# KiCad board panel.kicad_pcb (continued)
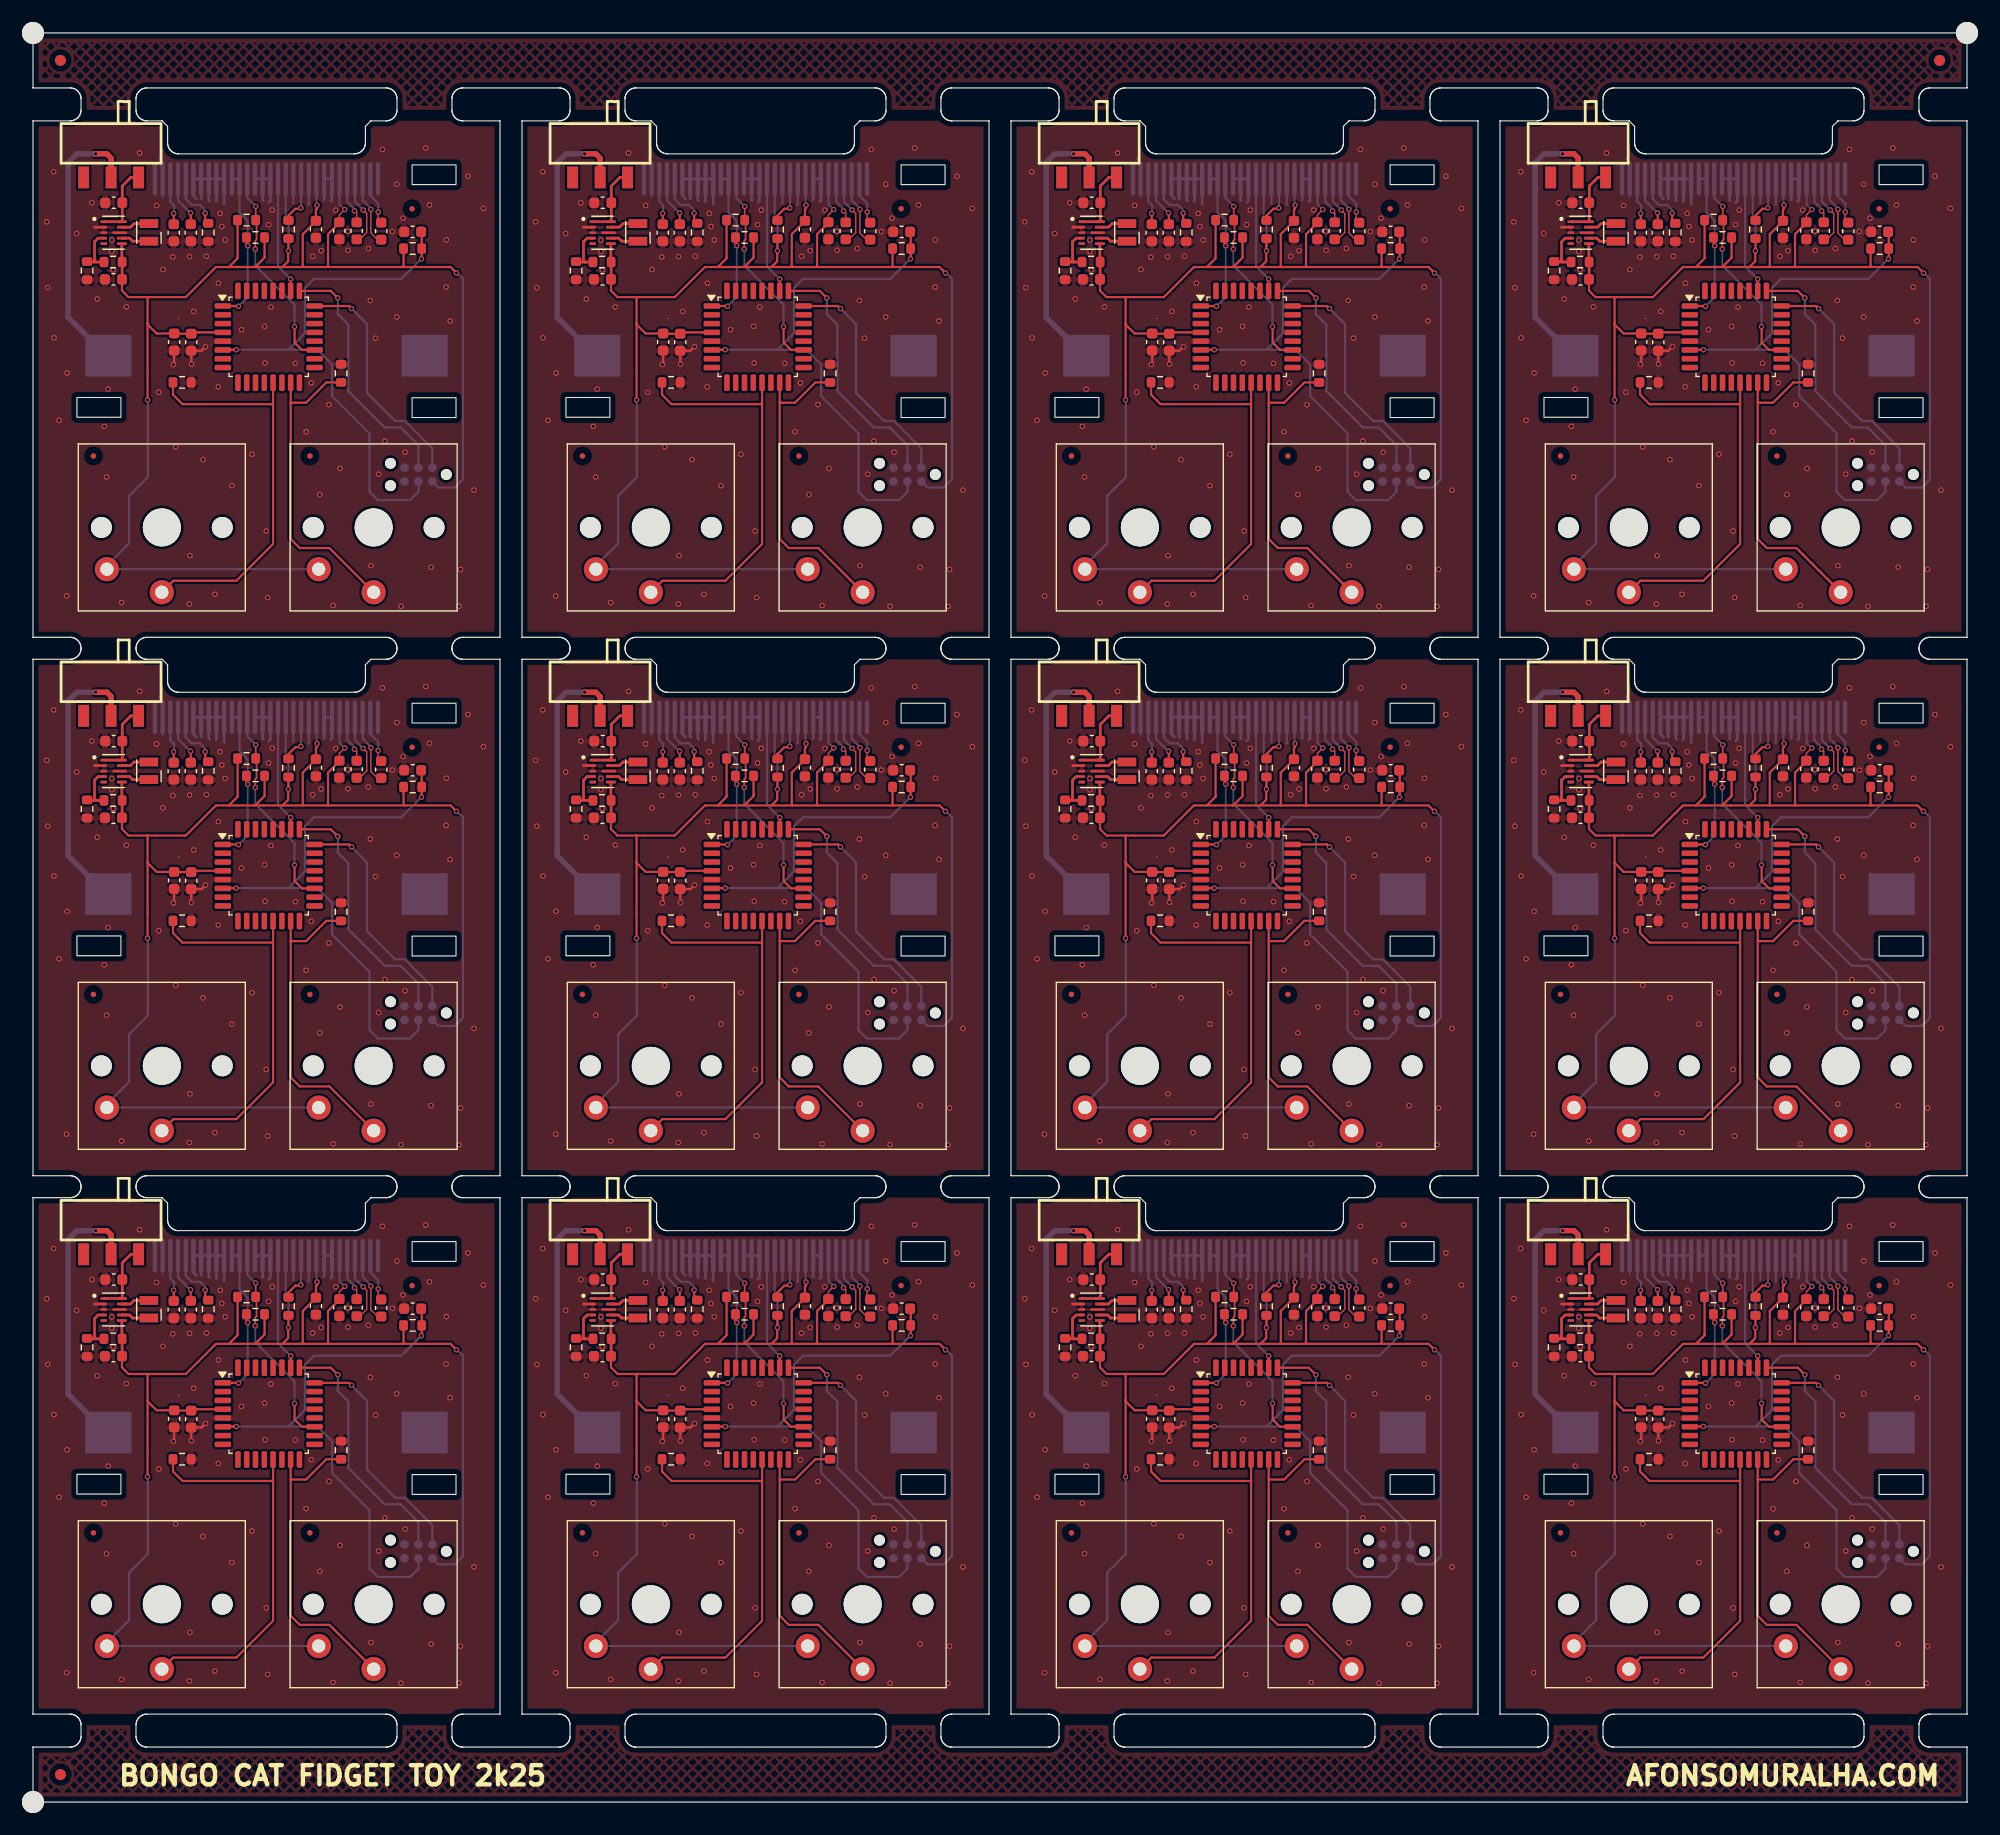
[diagram p0: board, top side]
## Placement (name value [footprint] x y rotation side) (continued)
R12#4  4.7k  [R_0603_1608Metric]  109.25 93.39 0 top
R12#5  4.7k  [R_0603_1608Metric]  153.75 142.39 0 top
R12#6  4.7k  [R_0603_1608Metric]  20.25 44.39 0 top
R12#7  4.7k  [R_0603_1608Metric]  153.75 93.39 0 top
R12#8  4.7k  [R_0603_1608Metric]  64.75 142.39 0 top
R12#9  4.7k  [R_0603_1608Metric]  20.25 142.39 0 top
R12#10  4.7k  [R_0603_1608Metric]  153.75 44.39 0 top
R12#11  4.7k  [R_0603_1608Metric]  64.75 44.39 0 top
R12#12  4.7k  [R_0603_1608Metric]  109.25 142.39 0 top
R13  4.7k  [R_0603_1608Metric]  19.44 45.97 180 top
R13#2  4.7k  [R_0603_1608Metric]  152.94 45.97 180 top
R13#3  4.7k  [R_0603_1608Metric]  19.44 143.97 180 top
R13#4  4.7k  [R_0603_1608Metric]  108.44 143.97 180 top
R13#5  4.7k  [R_0603_1608Metric]  63.94 94.97 180 top
R13#6  4.7k  [R_0603_1608Metric]  63.94 45.97 180 top
R13#7  4.7k  [R_0603_1608Metric]  152.94 94.97 180 top
R13#8  4.7k  [R_0603_1608Metric]  63.94 143.97 180 top
R13#9  4.7k  [R_0603_1608Metric]  108.44 45.97 180 top
R13#10  4.7k  [R_0603_1608Metric]  108.44 94.97 180 top
R13#11  4.7k  [R_0603_1608Metric]  152.94 143.97 180 top
R13#12  4.7k  [R_0603_1608Metric]  19.44 94.97 180 top
R101  91k  [R_0603_1608Metric]  23.25 143.12 270 top
R101#2  91k  [R_0603_1608Metric]  67.75 143.12 270 top
R101#3  91k  [R_0603_1608Metric]  67.75 94.12 270 top
R101#4  91k  [R_0603_1608Metric]  156.75 45.12 270 top
R101#5  91k  [R_0603_1608Metric]  67.75 45.12 270 top
R101#6  91k  [R_0603_1608Metric]  156.75 143.12 270 top
R101#7  91k  [R_0603_1608Metric]  112.25 143.12 270 top
R101#8  91k  [R_0603_1608Metric]  23.25 45.12 270 top
R101#9  91k  [R_0603_1608Metric]  112.25 45.12 270 top
R101#10  91k  [R_0603_1608Metric]  112.25 94.12 270 top
R101#11  91k  [R_0603_1608Metric]  23.25 94.12 270 top
R101#12  91k  [R_0603_1608Metric]  156.75 94.12 270 top
SW1  SW_Push  [SW_Kailh_Choc_V1_1.00u]  56.22 67 180 top
SW1#2  SW_Push  [SW_Kailh_Choc_V1_1.00u]  145.22 67 180 top
SW1#3  SW_Push  [SW_Kailh_Choc_V1_1.00u]  145.22 18 180 top
SW1#4  SW_Push  [SW_Kailh_Choc_V1_1.00u]  100.72 116 180 top
SW1#5  SW_Push  [SW_Kailh_Choc_V1_1.00u]  11.72 67 180 top
SW1#6  SW_Push  [SW_Kailh_Choc_V1_1.00u]  11.72 116 180 top
SW1#7  SW_Push  [SW_Kailh_Choc_V1_1.00u]  11.72 18 180 top
SW1#8  SW_Push  [SW_Kailh_Choc_V1_1.00u]  100.72 18 180 top
SW1#9  SW_Push  [SW_Kailh_Choc_V1_1.00u]  56.22 18 180 top
SW1#10  SW_Push  [SW_Kailh_Choc_V1_1.00u]  145.22 116 180 top
SW1#11  SW_Push  [SW_Kailh_Choc_V1_1.00u]  56.22 116 180 top
SW1#12  SW_Push  [SW_Kailh_Choc_V1_1.00u]  100.72 67 180 top
SW2  SW_Push  [SW_Kailh_Choc_V1_1.00u]  120 18 180 top
SW2#2  SW_Push  [SW_Kailh_Choc_V1_1.00u]  31 18 180 top
SW2#3  SW_Push  [SW_Kailh_Choc_V1_1.00u]  31 67 180 top
SW2#4  SW_Push  [SW_Kailh_Choc_V1_1.00u]  75.5 116 180 top
SW2#5  SW_Push  [SW_Kailh_Choc_V1_1.00u]  31 116 180 top
SW2#6  SW_Push  [SW_Kailh_Choc_V1_1.00u]  75.5 18 180 top
SW2#7  SW_Push  [SW_Kailh_Choc_V1_1.00u]  164.5 18 180 top
SW2#8  SW_Push  [SW_Kailh_Choc_V1_1.00u]  164.5 116 180 top
SW2#9  SW_Push  [SW_Kailh_Choc_V1_1.00u]  120 116 180 top
SW2#10  SW_Push  [SW_Kailh_Choc_V1_1.00u]  164.5 67 180 top
SW2#11  SW_Push  [SW_Kailh_Choc_V1_1.00u]  120 67 180 top
SW2#12  SW_Push  [SW_Kailh_Choc_V1_1.00u]  75.5 67 180 top
SW5  SW_SPDT_321  [SW-SMD_SK-3245S-L1-A-1]  96.11 98.85 0 top
SW5#2  SW_SPDT_321  [SW-SMD_SK-3245S-L1-A-1]  7.11 147.85 0 top
SW5#3  SW_SPDT_321  [SW-SMD_SK-3245S-L1-A-1]  51.61 147.85 0 top
SW5#4  SW_SPDT_321  [SW-SMD_SK-3245S-L1-A-1]  140.61 147.85 0 top
SW5#5  SW_SPDT_321  [SW-SMD_SK-3245S-L1-A-1]  51.61 98.85 0 top
SW5#6  SW_SPDT_321  [SW-SMD_SK-3245S-L1-A-1]  7.11 98.85 0 top
SW5#7  SW_SPDT_321  [SW-SMD_SK-3245S-L1-A-1]  140.61 49.85 0 top
SW5#8  SW_SPDT_321  [SW-SMD_SK-3245S-L1-A-1]  96.11 147.85 0 top
SW5#9  SW_SPDT_321  [SW-SMD_SK-3245S-L1-A-1]  140.61 98.85 0 top
SW5#10  SW_SPDT_321  [SW-SMD_SK-3245S-L1-A-1]  96.11 49.85 0 top
SW5#11  SW_SPDT_321  [SW-SMD_SK-3245S-L1-A-1]  7.11 49.85 0 top
SW5#12  SW_SPDT_321  [SW-SMD_SK-3245S-L1-A-1]  51.61 49.85 0 top
U1  STM32G030K8Tx  [LQFP-32_7x7mm_P0.8mm]  21.45 35.35 0 top
U1#2  STM32G030K8Tx  [LQFP-32_7x7mm_P0.8mm]  65.95 84.35 0 top
U1#3  STM32G030K8Tx  [LQFP-32_7x7mm_P0.8mm]  154.95 84.35 0 top
U1#4  STM32G030K8Tx  [LQFP-32_7x7mm_P0.8mm]  65.95 133.35 0 top
U1#5  STM32G030K8Tx  [LQFP-32_7x7mm_P0.8mm]  110.45 35.35 0 top
U1#6  STM32G030K8Tx  [LQFP-32_7x7mm_P0.8mm]  21.45 84.35 0 top
U1#7  STM32G030K8Tx  [LQFP-32_7x7mm_P0.8mm]  110.45 133.35 0 top
U1#8  STM32G030K8Tx  [LQFP-32_7x7mm_P0.8mm]  110.45 84.35 0 top
U1#9  STM32G030K8Tx  [LQFP-32_7x7mm_P0.8mm]  154.95 133.35 0 top
U1#10  STM32G030K8Tx  [LQFP-32_7x7mm_P0.8mm]  154.95 35.35 0 top
U1#11  STM32G030K8Tx  [LQFP-32_7x7mm_P0.8mm]  65.95 35.35 0 top
U1#12  STM32G030K8Tx  [LQFP-32_7x7mm_P0.8mm]  21.45 133.35 0 top
U101  TPS63802DLAR  [VREG_TPS63802DLAR]  96.34 93.83 0 top
U101#2  TPS63802DLAR  [VREG_TPS63802DLAR]  140.84 142.83 0 top
U101#3  TPS63802DLAR  [VREG_TPS63802DLAR]  51.84 44.83 0 top
U101#4  TPS63802DLAR  [VREG_TPS63802DLAR]  51.84 142.83 0 top
U101#5  TPS63802DLAR  [VREG_TPS63802DLAR]  7.34 44.83 0 top
U101#6  TPS63802DLAR  [VREG_TPS63802DLAR]  7.34 93.83 0 top
U101#7  TPS63802DLAR  [VREG_TPS63802DLAR]  140.84 44.83 0 top
U101#8  TPS63802DLAR  [VREG_TPS63802DLAR]  96.34 142.83 0 top
U101#9  TPS63802DLAR  [VREG_TPS63802DLAR]  7.34 142.83 0 top
U101#10  TPS63802DLAR  [VREG_TPS63802DLAR]  51.84 93.83 0 top
U101#11  TPS63802DLAR  [VREG_TPS63802DLAR]  96.34 44.83 0 top
U101#12  TPS63802DLAR  [VREG_TPS63802DLAR]  140.84 93.83 0 top

## Library data of the parts
BT1 BT1#2-BT1#12 = -: Description: Multiple-cell battery; LCSC: C70377
C1 C1#2-C1#12 C2 C2#2-C2#12 = -: LCSC: C59461; ki_fp_filters: C_*
C3 C3#2-C3#12 C5 C5#2-C5#12 = -: LCSC: C30926; ki_fp_filters: C_*
C4 C4#2-C4#12 C12 C12#2-C12#12 = -: LCSC: C1705; ki_fp_filters: C_*
C8 C8#2-C8#12 C9 C9#2-C9#12 C10 C10#2-C10#12 C11 C11#2-C11#12 C13 C13#2-C13#12 = -: LCSC: C23630; ki_fp_filters: C_*
FID1 FID1#2-FID1#12 FID2 FID2#2-FID2#12 FID3 FID3#2-FID3#12 = -: Description: Fiducial Marker; KiLib_Generator: fiducial; ki_fp_filters: Fiducial*
J1 J1#2-J1#12 = -: ki_fp_filters: Connector*:*_1x??_*
J4 J4#2-J4#12 = -: Datasheet: https://www.tag-connect.com/wp-content/uploads/bsk-pdf-manager/TC2030-CTX_1.pdf; Description: Tag-Connect ARM Cortex SWD JTAG connector, 6 pin, no legs; ki_fp_filters: *TC2030*
L102 L102#2-L102#12 = -: Description: Inductor; LCSC: C89446; ki_fp_filters: Choke_* *Coil* Inductor_* L_*
R1 R1#2-R1#12 R2 R2#2-R2#12 R4 R4#2-R4#12 R8 R8#2-R8#12 R101 R101#2-R101#12 = -: Description: Resistor, small US symbol; LCSC: C326721; ki_fp_filters: R_*
R6 R6#2-R6#12 = -: Description: Resistor, small US symbol; LCSC: C2684557; ki_fp_filters: R_*
R11 R11#2-R11#12 = -: Description: Resistor, small US symbol; LCSC: C23150; ki_fp_filters: R_*
R12 R12#2-R12#12 R13 R13#2-R13#12 = -: Description: Resistor, small US symbol; LCSC: C23162; ki_fp_filters: R_*
SW1 SW1#2-SW1#12 SW2 SW2#2-SW2#12 = -: Description: Push button switch, generic, two pins
SW5 SW5#2-SW5#12 = -: Description: Switch, single pole double throw; LCSC: C500049
U1 U1#2-U1#12 = -: Datasheet: https://www.st.com/resource/en/datasheet/stm32g030k8.pdf; Description: STMicroelectronics Arm Cortex-M0+ MCU, 64KB flash, 8KB RAM, 64 MHz, 2.0-3.6V, 29 GPIO, LQFP32; LCSC: C724044; ki_fp_filters: LQFP*7x7mm*P0.8mm*
U101 U101#2-U101#12 = -: MF: Texas Instruments; MAXIMUM_PACKAGE_HEIGHT: 1.0 mm; Package: VSON-HR-10 Texas Instruments; Price: None; Check_prices: https://www.snapeda.com/parts/TPS63802DLAR/Texas+Instruments/view-part/?ref=eda; STANDARD: Manufacturer Recommendations; PARTREV: B; SnapEDA_Link: https://www.snapeda.com/parts/TPS63802DLAR/Texas+Instruments/view-part/?ref=snap; Purchase-URL: https://www.snapeda.com/api/url_track_click_mouser/?unipart_id=4449206&manufacturer=Texas Instruments&part_name=TPS63802DLAR&search_term=tps63802; Description_1: 2-A, high-efficient, 11-µA quiescent current buck-boost converter in QFN/DFN package; Availability: In Stock; MANUFACTURER: Texas Instruments; LCSC: C2845237

## Footprints (pads in the part's own frame, mm; a bottom-side part is the same pattern mirrored in y, then rotated)
BAT-TH_CR2032-BS-6-1
  rect 4.2x3.8 smd: 1(14.39,0) 2(-14.39,0)
C_0603_1608Metric
  rrect 0.9x0.95 smd: 1(-0.775,0) 2(0.775,0)
Fiducial
  round 1 smd: (0,0)
Fiducial_0.5mm_Mask1.5mm
  round 0.5 smd: (0,0)
L_Wurth_WE-LQSH-2010
  rect 0.8x1.7 smd: 1(-0.8,0) 2(0.8,0)
LQFP-32_7x7mm_P0.8mm
  rrect 1.5x0.5 smd: 1(-4.175,2.8) 2(-4.175,2) 3(-4.175,1.2) 4(-4.175,0.4) 5(-4.175,-0.4) 6(-4.175,-1.2) 7(-4.175,-2) 8(-4.175,-2.8) 17(4.175,-2.8) 18(4.175,-2) 19(4.175,-1.2) 20(4.175,-0.4) 21(4.175,0.4) 22(4.175,1.2) 23(4.175,2) 24(4.175,2.8)
  rrect 0.5x1.5 smd: 9(-2.8,-4.175) 10(-2,-4.175) 11(-1.2,-4.175) 12(-0.4,-4.175) 13(0.4,-4.175) 14(1.2,-4.175) 15(2,-4.175) 16(2.8,-4.175) 25(2.8,4.175) 26(2,4.175) 27(1.2,4.175) 28(0.4,4.175) 29(-0.4,4.175) 30(-1.2,4.175) 31(-2,4.175) 32(-2.8,4.175)
NPTH
  round 2 hole 2 unplated: (0,0)
R_0603_1608Metric
  rrect 0.8x0.95 smd: 1(-0.825,0) 2(0.825,0)
sh1106-1.3inch-oled_small
  rrect 0.4x3 smd: 1(-10.15,0) 2(-9.45,0) 3(-8.75,0) 4(-8.05,0) 5(-7.35,0) 6(-6.65,0) 7(-5.95,0) 8(-5.25,0) 9(-4.55,0) 10(-3.85,0) 11(-3.15,0) 12(-2.45,0) 13(-1.75,0) 14(-1.05,0) 15(-0.35,0) 16(0.35,0) 17(1.05,0) 18(1.75,0) 19(2.45,0) 20(3.15,0) 21(3.85,0) 22(4.55,0) 23(5.25,0) 24(5.95,0) 25(6.65,0) 26(7.35,0) 27(8.05,0) 28(8.75,0) 29(9.45,0) 30(10.15,0)
SW-SMD_SK-3245S-L1-A-1
  rect 1x2 smd: 1(-2.5,0) 2(0,0) 3(2.5,0)
SW_Kailh_Choc_V1_1.00u
  round 1.9 hole 1.9 unplated: (-5.5,0) (5.5,0)
  round 3.45 hole 3.45 unplated: (0,0)
  round 2.2 hole 1.2: 1(0,5.9) 2(5,3.8)
Tag-Connect_TC2030-IDC-NL_2x03_P1.27mm_Vertical
  round 0.991 hole 0.991 unplated: (-2.54,0) (2.54,-1.016) (2.54,1.016)
  round 0.787 smd: 1(-1.27,-0.635) 2(-1.27,0.635) 3(0,-0.635) 4(0,0.635) 5(1.27,-0.635) 6(1.27,0.635)
VREG_TPS63802DLAR
  rrect 0.6x0.25 smd: 1(-0.9,1) 2(-0.9,0.5) 3(-0.9,0) 4(-0.9,-0.5) 5(-0.9,-1)
  rrect 0.9x0.25 smd: 6(0.75,-1) 7(0.75,-0.5) 9(0.75,0.5) 10(0.75,1)
  rrect 1.3x0.25 smd: 8(0.55,0)

## Nets
Board_0-3V3: C2#12.1 C3#11.1 C4#3.1 C10#7.2 C11#12.2 J1#5.6 J1#5.9 J1#5.13 J4#6.1 R6#2.1 R8#8.1 R12#9.2 R13#3.2 R101.2 SW1#6.2 SW2#5.2 U1#12.4 U101#9.6
Board_0-/BS1: J1#5.11 R101.1
Board_0-/OLED_RST: J1#5.14 U1#12.26
Board_0-/RST: C5#9.1 J4#6.3 R8#8.2 U1#12.6
Board_0-/SCL: J1#5.18 R13#3.1 U1#12.19
Board_0-/SDA: J1#5.19 J1#5.20 R12#9.1 U1#12.1
Board_0-/SW1: R1#3.1 SW1#6.1 U1#12.13
Board_0-/SW2: R2#2.1 SW2#5.1 U1#12.15
Board_0-/SWCLK: J4#6.4 U1#12.25
Board_0-/SWDIO: J4#6.2 U1#12.24
Board_0-/UART_RX: U1#12.23
Board_0-/UART_TX: U1#12.30
Board_0-GND: BT1#11.2 C1#2.2 C2#12.2 C3#11.2 C4#3.2 C5#9.2 C10#7.1 C11#12.1 C12#12.1 C13#3.1 J1#5.7 J1#5.8 J1#5.10 J1#5.12 J1#5.15 J1#5.16 J1#5.17 J1#5.21 J1#5.22 J1#5.23 J1#5.24 J1#5.25 J1#5.29 J1#5.30 J4#6.5 R1#3.2 R2#2.2 R4#5.2 R11#11.1 U1#12.5 U101#9.2 U101#9.3 U101#9.8
Board_0-Net-(BT1-+): BT1#11.1 SW5#2.2
Board_0-Net-(J1-Pin_2): C9#11.2 J1#5.2
Board_0-Net-(J1-Pin_3): C9#11.1 J1#5.3
Board_0-Net-(J1-Pin_4): C8#2.2 J1#5.4
Board_0-Net-(J1-Pin_5): C8#2.1 J1#5.5
Board_0-Net-(J1-Pin_26): J1#5.26 R11#11.2
Board_0-Net-(J1-Pin_27): C12#12.2 J1#5.27
Board_0-Net-(J1-Pin_28): C13#3.2 J1#5.28
Board_0-Net-(SW5-A): C1#2.1 SW5#2.3 U101#9.1 U101#9.10
Board_0-Net-(U101-FB): R4#5.1 R6#2.2 U101#9.4
Board_0-Net-(U101-L1): L102#4.1 U101#9.9
Board_0-Net-(U101-L2): L102#4.2 U101#9.7
Board_0-unconnected-(J1-Pin_1-Pad1): J1#5.1
Board_0-unconnected-(J4-SWO-Pad6): J4#6.6
Board_0-unconnected-(SW5-C-Pad1): SW5#2.1
Board_0-unconnected-(U1-PA0-Pad7): U1#12.7
Board_0-unconnected-(U1-PA1-Pad8): U1#12.8
Board_0-unconnected-(U1-PA2-Pad9): U1#12.9
Board_0-unconnected-(U1-PA3-Pad10): U1#12.10
Board_0-unconnected-(U1-PA4-Pad11): U1#12.11
Board_0-unconnected-(U1-PA5-Pad12): U1#12.12
Board_0-unconnected-(U1-PA7-Pad14): U1#12.14
Board_0-unconnected-(U1-PA8-Pad18): U1#12.18
Board_0-unconnected-(U1-PA10/NC-Pad21): U1#12.21
Board_0-unconnected-(U1-PA11/PA9-Pad22): U1#12.22
Board_0-unconnected-(U1-PB1-Pad16): U1#12.16
Board_0-unconnected-(U1-PB2-Pad17): U1#12.17
Board_0-unconnected-(U1-PB3-Pad27): U1#12.27
Board_0-unconnected-(U1-PB4-Pad28): U1#12.28
Board_0-unconnected-(U1-PB5-Pad29): U1#12.29
Board_0-unconnected-(U1-PB7-Pad31): U1#12.31
Board_0-unconnected-(U1-PB8-Pad32): U1#12.32
Board_0-unconnected-(U1-PC6-Pad20): U1#12.20
Board_0-unconnected-(U1-PC14-Pad2): U1#12.2
Board_0-unconnected-(U1-PC15-Pad3): U1#12.3
Board_0-unconnected-(U101-PG-Pad5): U101#9.5
Board_1-3V3: C2#3.1 C3#8.1 C4#9.1 C10#2.2 C11#6.2 J1#7.6 J1#7.9 J1#7.13 J4#7.1 R6#10.1 R8.1 R12#8.2 R13#8.2 R101#2.2 SW1#11.2 SW2#4.2 U1#4.4 U101#4.6
Board_1-/BS1: J1#7.11 R101#2.1
Board_1-/OLED_RST: J1#7.14 U1#4.26
Board_1-/RST: C5#7.1 J4#7.3 R8.2 U1#4.6
Board_1-/SCL: J1#7.18 R13#8.1 U1#4.19
Board_1-/SDA: J1#7.19 J1#7.20 R12#8.1 U1#4.1
Board_1-/SW1: R1#11.1 SW1#11.1 U1#4.13
Board_1-/SW2: R2#8.1 SW2#4.1 U1#4.15
Board_1-/SWCLK: J4#7.4 U1#4.25
Board_1-/SWDIO: J4#7.2 U1#4.24
Board_1-/UART_RX: U1#4.23
Board_1-/UART_TX: U1#4.30
Board_1-GND: BT1#7.2 C1#4.2 C2#3.2 C3#8.2 C4#9.2 C5#7.2 C10#2.1 C11#6.1 C12#3.1 C13#10.1 J1#7.7 J1#7.8 J1#7.10 J1#7.12 J1#7.15 J1#7.16 J1#7.17 J1#7.21 J1#7.22 J1#7.23 J1#7.24 J1#7.25 J1#7.29 J1#7.30 J4#7.5 R1#11.2 R2#8.2 R4#4.2 R11#12.1 U1#4.5 U101#4.2 U101#4.3 U101#4.8
Board_1-Net-(BT1-+): BT1#7.1 SW5#3.2
Board_1-Net-(J1-Pin_2): C9#2.2 J1#7.2
Board_1-Net-(J1-Pin_3): C9#2.1 J1#7.3
Board_1-Net-(J1-Pin_4): C8#3.2 J1#7.4
Board_1-Net-(J1-Pin_5): C8#3.1 J1#7.5
Board_1-Net-(J1-Pin_26): J1#7.26 R11#12.2
Board_1-Net-(J1-Pin_27): C12#3.2 J1#7.27
Board_1-Net-(J1-Pin_28): C13#10.2 J1#7.28
Board_1-Net-(SW5-A): C1#4.1 SW5#3.3 U101#4.1 U101#4.10
Board_1-Net-(U101-FB): R4#4.1 R6#10.2 U101#4.4
Board_1-Net-(U101-L1): L102#8.1 U101#4.9
Board_1-Net-(U101-L2): L102#8.2 U101#4.7
Board_1-unconnected-(J1-Pin_1-Pad1): J1#7.1
Board_1-unconnected-(J4-SWO-Pad6): J4#7.6
Board_1-unconnected-(SW5-C-Pad1): SW5#3.1
Board_1-unconnected-(U1-PA0-Pad7): U1#4.7
Board_1-unconnected-(U1-PA1-Pad8): U1#4.8
Board_1-unconnected-(U1-PA2-Pad9): U1#4.9
Board_1-unconnected-(U1-PA3-Pad10): U1#4.10
Board_1-unconnected-(U1-PA4-Pad11): U1#4.11
Board_1-unconnected-(U1-PA5-Pad12): U1#4.12
Board_1-unconnected-(U1-PA7-Pad14): U1#4.14
Board_1-unconnected-(U1-PA8-Pad18): U1#4.18
Board_1-unconnected-(U1-PA10/NC-Pad21): U1#4.21
Board_1-unconnected-(U1-PA11/PA9-Pad22): U1#4.22
Board_1-unconnected-(U1-PB1-Pad16): U1#4.16
Board_1-unconnected-(U1-PB2-Pad17): U1#4.17
Board_1-unconnected-(U1-PB3-Pad27): U1#4.27
Board_1-unconnected-(U1-PB4-Pad28): U1#4.28
Board_1-unconnected-(U1-PB5-Pad29): U1#4.29
Board_1-unconnected-(U1-PB7-Pad31): U1#4.31
Board_1-unconnected-(U1-PB8-Pad32): U1#4.32
Board_1-unconnected-(U1-PC6-Pad20): U1#4.20
Board_1-unconnected-(U1-PC14-Pad2): U1#4.2
Board_1-unconnected-(U1-PC15-Pad3): U1#4.3
Board_1-unconnected-(U101-PG-Pad5): U101#4.5
Board_2-3V3: C2#6.1 C3#10.1 C4#4.1 C10#5.2 C11#4.2 J1#3.6 J1#3.9 J1#3.13 J4#11.1 R6#11.1 R8#2.1 R12#12.2 R13#4.2 R101#7.2 SW1#4.2 SW2#9.2 U1#7.4 U101#8.6
Board_2-/BS1: J1#3.11 R101#7.1
Board_2-/OLED_RST: J1#3.14 U1#7.26
Board_2-/RST: C5#8.1 J4#11.3 R8#2.2 U1#7.6
Board_2-/SCL: J1#3.18 R13#4.1 U1#7.19
Board_2-/SDA: J1#3.19 J1#3.20 R12#12.1 U1#7.1
Board_2-/SW1: R1#9.1 SW1#4.1 U1#7.13
Board_2-/SW2: R2#4.1 SW2#9.1 U1#7.15
Board_2-/SWCLK: J4#11.4 U1#7.25
Board_2-/SWDIO: J4#11.2 U1#7.24
Board_2-/UART_RX: U1#7.23
Board_2-/UART_TX: U1#7.30
Board_2-GND: BT1#5.2 C1.2 C2#6.2 C3#10.2 C4#4.2 C5#8.2 C10#5.1 C11#4.1 C12#6.1 C13#8.1 J1#3.7 J1#3.8 J1#3.10 J1#3.12 J1#3.15 J1#3.16 J1#3.17 J1#3.21 J1#3.22 J1#3.23 J1#3.24 J1#3.25 J1#3.29 J1#3.30 J4#11.5 R1#9.2 R2#4.2 R4#11.2 R11#5.1 U1#7.5 U101#8.2 U101#8.3 U101#8.8
Board_2-Net-(BT1-+): BT1#5.1 SW5#8.2
Board_2-Net-(J1-Pin_2): C9#10.2 J1#3.2
Board_2-Net-(J1-Pin_3): C9#10.1 J1#3.3
Board_2-Net-(J1-Pin_4): C8#7.2 J1#3.4
Board_2-Net-(J1-Pin_5): C8#7.1 J1#3.5
Board_2-Net-(J1-Pin_26): J1#3.26 R11#5.2
Board_2-Net-(J1-Pin_27): C12#6.2 J1#3.27
Board_2-Net-(J1-Pin_28): C13#8.2 J1#3.28
Board_2-Net-(SW5-A): C1.1 SW5#8.3 U101#8.1 U101#8.10
Board_2-Net-(U101-FB): R4#11.1 R6#11.2 U101#8.4
Board_2-Net-(U101-L1): L102#7.1 U101#8.9
Board_2-Net-(U101-L2): L102#7.2 U101#8.7
Board_2-unconnected-(J1-Pin_1-Pad1): J1#3.1
Board_2-unconnected-(J4-SWO-Pad6): J4#11.6
Board_2-unconnected-(SW5-C-Pad1): SW5#8.1
Board_2-unconnected-(U1-PA0-Pad7): U1#7.7
Board_2-unconnected-(U1-PA1-Pad8): U1#7.8
Board_2-unconnected-(U1-PA2-Pad9): U1#7.9
Board_2-unconnected-(U1-PA3-Pad10): U1#7.10
Board_2-unconnected-(U1-PA4-Pad11): U1#7.11
Board_2-unconnected-(U1-PA5-Pad12): U1#7.12
Board_2-unconnected-(U1-PA7-Pad14): U1#7.14
Board_2-unconnected-(U1-PA8-Pad18): U1#7.18
Board_2-unconnected-(U1-PA10/NC-Pad21): U1#7.21
Board_2-unconnected-(U1-PA11/PA9-Pad22): U1#7.22
Board_2-unconnected-(U1-PB1-Pad16): U1#7.16
Board_2-unconnected-(U1-PB2-Pad17): U1#7.17
Board_2-unconnected-(U1-PB3-Pad27): U1#7.27
Board_2-unconnected-(U1-PB4-Pad28): U1#7.28
Board_2-unconnected-(U1-PB5-Pad29): U1#7.29
Board_2-unconnected-(U1-PB7-Pad31): U1#7.31
Board_2-unconnected-(U1-PB8-Pad32): U1#7.32
Board_2-unconnected-(U1-PC6-Pad20): U1#7.20
Board_2-unconnected-(U1-PC14-Pad2): U1#7.2
Board_2-unconnected-(U1-PC15-Pad3): U1#7.3
Board_2-unconnected-(U101-PG-Pad5): U101#8.5
Board_3-3V3: C2#7.1 C3#7.1 C4#6.1 C10#12.2 C11#7.2 J1#8.6 J1#8.9 J1#8.13 J4#8.1 R6#7.1 R8#7.1 R12#5.2 R13#11.2 R101#6.2 SW1#10.2 SW2#8.2 U1#9.4 U101#2.6
Board_3-/BS1: J1#8.11 R101#6.1
Board_3-/OLED_RST: J1#8.14 U1#9.26
Board_3-/RST: C5#4.1 J4#8.3 R8#7.2 U1#9.6
Board_3-/SCL: J1#8.18 R13#11.1 U1#9.19
Board_3-/SDA: J1#8.19 J1#8.20 R12#5.1 U1#9.1
Board_3-/SW1: R1#12.1 SW1#10.1 U1#9.13
Board_3-/SW2: R2#5.1 SW2#8.1 U1#9.15
Board_3-/SWCLK: J4#8.4 U1#9.25
Board_3-/SWDIO: J4#8.2 U1#9.24
Board_3-/UART_RX: U1#9.23
Board_3-/UART_TX: U1#9.30
Board_3-GND: BT1#2.2 C1#7.2 C2#7.2 C3#7.2 C4#6.2 C5#4.2 C10#12.1 C11#7.1 C12#10.1 C13#12.1 J1#8.7 J1#8.8 J1#8.10 J1#8.12 J1#8.15 J1#8.16 J1#8.17 J1#8.21 J1#8.22 J1#8.23 J1#8.24 J1#8.25 J1#8.29 J1#8.30 J4#8.5 R1#12.2 R2#5.2 R4#2.2 R11#6.1 U1#9.5 U101#2.2 U101#2.3 U101#2.8
Board_3-Net-(BT1-+): BT1#2.1 SW5#4.2
Board_3-Net-(J1-Pin_2): C9#5.2 J1#8.2
Board_3-Net-(J1-Pin_3): C9#5.1 J1#8.3
Board_3-Net-(J1-Pin_4): C8#5.2 J1#8.4
Board_3-Net-(J1-Pin_5): C8#5.1 J1#8.5
Board_3-Net-(J1-Pin_26): J1#8.26 R11#6.2
Board_3-Net-(J1-Pin_27): C12#10.2 J1#8.27
Board_3-Net-(J1-Pin_28): C13#12.2 J1#8.28
Board_3-Net-(SW5-A): C1#7.1 SW5#4.3 U101#2.1 U101#2.10
Board_3-Net-(U101-FB): R4#2.1 R6#7.2 U101#2.4
Board_3-Net-(U101-L1): L102#2.1 U101#2.9
Board_3-Net-(U101-L2): L102#2.2 U101#2.7
Board_3-unconnected-(J1-Pin_1-Pad1): J1#8.1
Board_3-unconnected-(J4-SWO-Pad6): J4#8.6
Board_3-unconnected-(SW5-C-Pad1): SW5#4.1
Board_3-unconnected-(U1-PA0-Pad7): U1#9.7
Board_3-unconnected-(U1-PA1-Pad8): U1#9.8
Board_3-unconnected-(U1-PA2-Pad9): U1#9.9
Board_3-unconnected-(U1-PA3-Pad10): U1#9.10
Board_3-unconnected-(U1-PA4-Pad11): U1#9.11
Board_3-unconnected-(U1-PA5-Pad12): U1#9.12
Board_3-unconnected-(U1-PA7-Pad14): U1#9.14
Board_3-unconnected-(U1-PA8-Pad18): U1#9.18
Board_3-unconnected-(U1-PA10/NC-Pad21): U1#9.21
Board_3-unconnected-(U1-PA11/PA9-Pad22): U1#9.22
Board_3-unconnected-(U1-PB1-Pad16): U1#9.16
Board_3-unconnected-(U1-PB2-Pad17): U1#9.17
Board_3-unconnected-(U1-PB3-Pad27): U1#9.27
Board_3-unconnected-(U1-PB4-Pad28): U1#9.28
Board_3-unconnected-(U1-PB5-Pad29): U1#9.29
Board_3-unconnected-(U1-PB7-Pad31): U1#9.31
Board_3-unconnected-(U1-PB8-Pad32): U1#9.32
Board_3-unconnected-(U1-PC6-Pad20): U1#9.20
Board_3-unconnected-(U1-PC14-Pad2): U1#9.2
Board_3-unconnected-(U1-PC15-Pad3): U1#9.3
Board_3-unconnected-(U101-PG-Pad5): U101#2.5
Board_4-3V3: C2#10.1 C3#9.1 C4.1 C10#8.2 C11.2 J1#6.6 J1#6.9 J1#6.13 J4#10.1 R6#3.1 R8#11.1 R12#3.2 R13#12.2 R101#11.2 SW1#5.2 SW2#3.2 U1#6.4 U101#6.6
Board_4-/BS1: J1#6.11 R101#11.1
Board_4-/OLED_RST: J1#6.14 U1#6.26
Board_4-/RST: C5#3.1 J4#10.3 R8#11.2 U1#6.6
Board_4-/SCL: J1#6.18 R13#12.1 U1#6.19
Board_4-/SDA: J1#6.19 J1#6.20 R12#3.1 U1#6.1
Board_4-/SW1: R1#6.1 SW1#5.1 U1#6.13
Board_4-/SW2: R2#6.1 SW2#3.1 U1#6.15
Board_4-/SWCLK: J4#10.4 U1#6.25
Board_4-/SWDIO: J4#10.2 U1#6.24
Board_4-/UART_RX: U1#6.23
Board_4-/UART_TX: U1#6.30
Board_4-GND: BT1#10.2 C1#8.2 C2#10.2 C3#9.2 C4.2 C5#3.2 C10#8.1 C11.1 C12#8.1 C13#7.1 J1#6.7 J1#6.8 J1#6.10 J1#6.12 J1#6.15 J1#6.16 J1#6.17 J1#6.21 J1#6.22 J1#6.23 J1#6.24 J1#6.25 J1#6.29 J1#6.30 J4#10.5 R1#6.2 R2#6.2 R4#9.2 R11#4.1 U1#6.5 U101#6.2 U101#6.3 U101#6.8
Board_4-Net-(BT1-+): BT1#10.1 SW5#6.2
Board_4-Net-(J1-Pin_2): C9#3.2 J1#6.2
Board_4-Net-(J1-Pin_3): C9#3.1 J1#6.3
Board_4-Net-(J1-Pin_4): C8#4.2 J1#6.4
Board_4-Net-(J1-Pin_5): C8#4.1 J1#6.5
Board_4-Net-(J1-Pin_26): J1#6.26 R11#4.2
Board_4-Net-(J1-Pin_27): C12#8.2 J1#6.27
Board_4-Net-(J1-Pin_28): C13#7.2 J1#6.28
Board_4-Net-(SW5-A): C1#8.1 SW5#6.3 U101#6.1 U101#6.10
Board_4-Net-(U101-FB): R4#9.1 R6#3.2 U101#6.4
Board_4-Net-(U101-L1): L102#5.1 U101#6.9
Board_4-Net-(U101-L2): L102#5.2 U101#6.7
Board_4-unconnected-(J1-Pin_1-Pad1): J1#6.1
Board_4-unconnected-(J4-SWO-Pad6): J4#10.6
Board_4-unconnected-(SW5-C-Pad1): SW5#6.1
Board_4-unconnected-(U1-PA0-Pad7): U1#6.7
Board_4-unconnected-(U1-PA1-Pad8): U1#6.8
Board_4-unconnected-(U1-PA2-Pad9): U1#6.9
Board_4-unconnected-(U1-PA3-Pad10): U1#6.10
Board_4-unconnected-(U1-PA4-Pad11): U1#6.11
Board_4-unconnected-(U1-PA5-Pad12): U1#6.12
Board_4-unconnected-(U1-PA7-Pad14): U1#6.14
Board_4-unconnected-(U1-PA8-Pad18): U1#6.18
Board_4-unconnected-(U1-PA10/NC-Pad21): U1#6.21
Board_4-unconnected-(U1-PA11/PA9-Pad22): U1#6.22
Board_4-unconnected-(U1-PB1-Pad16): U1#6.16
Board_4-unconnected-(U1-PB2-Pad17): U1#6.17
Board_4-unconnected-(U1-PB3-Pad27): U1#6.27
Board_4-unconnected-(U1-PB4-Pad28): U1#6.28
Board_4-unconnected-(U1-PB5-Pad29): U1#6.29
Board_4-unconnected-(U1-PB7-Pad31): U1#6.31
Board_4-unconnected-(U1-PB8-Pad32): U1#6.32
Board_4-unconnected-(U1-PC6-Pad20): U1#6.20
Board_4-unconnected-(U1-PC14-Pad2): U1#6.2
Board_4-unconnected-(U1-PC15-Pad3): U1#6.3
Board_4-unconnected-(U101-PG-Pad5): U101#6.5
Board_5-3V3: C2#2.1 C3.1 C4#7.1 C10#6.2 C11#2.2 J1#9.6 J1#9.9 J1#9.13 J4#3.1 R6#6.1 R8#10.1 R12#2.2 R13#5.2 R101#3.2 SW1.2 SW2#12.2 U1#2.4 U101#10.6
Board_5-/BS1: J1#9.11 R101#3.1
Board_5-/OLED_RST: J1#9.14 U1#2.26
Board_5-/RST: C5#11.1 J4#3.3 R8#10.2 U1#2.6
Board_5-/SCL: J1#9.18 R13#5.1 U1#2.19
Board_5-/SDA: J1#9.19 J1#9.20 R12#2.1 U1#2.1
Board_5-/SW1: R1#7.1 SW1.1 U1#2.13
Board_5-/SW2: R2#11.1 SW2#12.1 U1#2.15
Board_5-/SWCLK: J4#3.4 U1#2.25
Board_5-/SWDIO: J4#3.2 U1#2.24
Board_5-/UART_RX: U1#2.23
Board_5-/UART_TX: U1#2.30
Board_5-GND: BT1#4.2 C1#10.2 C2#2.2 C3.2 C4#7.2 C5#11.2 C10#6.1 C11#2.1 C12#11.1 C13#2.1 J1#9.7 J1#9.8 J1#9.10 J1#9.12 J1#9.15 J1#9.16 J1#9.17 J1#9.21 J1#9.22 J1#9.23 J1#9.24 J1#9.25 J1#9.29 J1#9.30 J4#3.5 R1#7.2 R2#11.2 R4.2 R11#9.1 U1#2.5 U101#10.2 U101#10.3 U101#10.8
Board_5-Net-(BT1-+): BT1#4.1 SW5#5.2
Board_5-Net-(J1-Pin_2): C9#9.2 J1#9.2
Board_5-Net-(J1-Pin_3): C9#9.1 J1#9.3
Board_5-Net-(J1-Pin_4): C8#6.2 J1#9.4
Board_5-Net-(J1-Pin_5): C8#6.1 J1#9.5
Board_5-Net-(J1-Pin_26): J1#9.26 R11#9.2
Board_5-Net-(J1-Pin_27): C12#11.2 J1#9.27
Board_5-Net-(J1-Pin_28): C13#2.2 J1#9.28
Board_5-Net-(SW5-A): C1#10.1 SW5#5.3 U101#10.1 U101#10.10
Board_5-Net-(U101-FB): R4.1 R6#6.2 U101#10.4
Board_5-Net-(U101-L1): L102#11.1 U101#10.9
Board_5-Net-(U101-L2): L102#11.2 U101#10.7
Board_5-unconnected-(J1-Pin_1-Pad1): J1#9.1
Board_5-unconnected-(J4-SWO-Pad6): J4#3.6
Board_5-unconnected-(SW5-C-Pad1): SW5#5.1
Board_5-unconnected-(U1-PA0-Pad7): U1#2.7
Board_5-unconnected-(U1-PA1-Pad8): U1#2.8
Board_5-unconnected-(U1-PA2-Pad9): U1#2.9
Board_5-unconnected-(U1-PA3-Pad10): U1#2.10
Board_5-unconnected-(U1-PA4-Pad11): U1#2.11
Board_5-unconnected-(U1-PA5-Pad12): U1#2.12
Board_5-unconnected-(U1-PA7-Pad14): U1#2.14
Board_5-unconnected-(U1-PA8-Pad18): U1#2.18
Board_5-unconnected-(U1-PA10/NC-Pad21): U1#2.21
Board_5-unconnected-(U1-PA11/PA9-Pad22): U1#2.22
Board_5-unconnected-(U1-PB1-Pad16): U1#2.16
Board_5-unconnected-(U1-PB2-Pad17): U1#2.17
Board_5-unconnected-(U1-PB3-Pad27): U1#2.27
Board_5-unconnected-(U1-PB4-Pad28): U1#2.28
Board_5-unconnected-(U1-PB5-Pad29): U1#2.29
Board_5-unconnected-(U1-PB7-Pad31): U1#2.31
Board_5-unconnected-(U1-PB8-Pad32): U1#2.32
Board_5-unconnected-(U1-PC6-Pad20): U1#2.20
Board_5-unconnected-(U1-PC14-Pad2): U1#2.2
Board_5-unconnected-(U1-PC15-Pad3): U1#2.3
Board_5-unconnected-(U101-PG-Pad5): U101#10.5
Board_6-3V3: C2#4.1 C3#2.1 C4#8.1 C10#11.2 C11#9.2 J1.6 J1.9 J1.13 J4#9.1 R6.1 R8#9.1 R12#4.2 R13#10.2 R101#10.2 SW1#12.2 SW2#11.2 U1#8.4 U101.6
Board_6-/BS1: J1.11 R101#10.1
Board_6-/OLED_RST: J1.14 U1#8.26
Board_6-/RST: C5#10.1 J4#9.3 R8#9.2 U1#8.6
Board_6-/SCL: J1.18 R13#10.1 U1#8.19
Board_6-/SDA: J1.19 J1.20 R12#4.1 U1#8.1
Board_6-/SW1: R1#5.1 SW1#12.1 U1#8.13
Board_6-/SW2: R2#12.1 SW2#11.1 U1#8.15
Board_6-/SWCLK: J4#9.4 U1#8.25
Board_6-/SWDIO: J4#9.2 U1#8.24
Board_6-/UART_RX: U1#8.23
Board_6-/UART_TX: U1#8.30
Board_6-GND: BT1.2 C1#12.2 C2#4.2 C3#2.2 C4#8.2 C5#10.2 C10#11.1 C11#9.1 C12#5.1 C13#6.1 J1.7 J1.8 J1.10 J1.12 J1.15 J1.16 J1.17 J1.21 J1.22 J1.23 J1.24 J1.25 J1.29 J1.30 J4#9.5 R1#5.2 R2#12.2 R4#6.2 R11#8.1 U1#8.5 U101.2 U101.3 U101.8
Board_6-Net-(BT1-+): BT1.1 SW5.2
Board_6-Net-(J1-Pin_2): C9#8.2 J1.2
Board_6-Net-(J1-Pin_3): C9#8.1 J1.3
Board_6-Net-(J1-Pin_4): C8#9.2 J1.4
Board_6-Net-(J1-Pin_5): C8#9.1 J1.5
Board_6-Net-(J1-Pin_26): J1.26 R11#8.2
Board_6-Net-(J1-Pin_27): C12#5.2 J1.27
Board_6-Net-(J1-Pin_28): C13#6.2 J1.28
Board_6-Net-(SW5-A): C1#12.1 SW5.3 U101.1 U101.10
Board_6-Net-(U101-FB): R4#6.1 R6.2 U101.4
Board_6-Net-(U101-L1): L102#10.1 U101.9
Board_6-Net-(U101-L2): L102#10.2 U101.7
Board_6-unconnected-(J1-Pin_1-Pad1): J1.1
Board_6-unconnected-(J4-SWO-Pad6): J4#9.6
Board_6-unconnected-(SW5-C-Pad1): SW5.1
Board_6-unconnected-(U1-PA0-Pad7): U1#8.7
Board_6-unconnected-(U1-PA1-Pad8): U1#8.8
Board_6-unconnected-(U1-PA2-Pad9): U1#8.9
Board_6-unconnected-(U1-PA3-Pad10): U1#8.10
Board_6-unconnected-(U1-PA4-Pad11): U1#8.11
Board_6-unconnected-(U1-PA5-Pad12): U1#8.12
Board_6-unconnected-(U1-PA7-Pad14): U1#8.14
Board_6-unconnected-(U1-PA8-Pad18): U1#8.18
Board_6-unconnected-(U1-PA10/NC-Pad21): U1#8.21
Board_6-unconnected-(U1-PA11/PA9-Pad22): U1#8.22
Board_6-unconnected-(U1-PB1-Pad16): U1#8.16
Board_6-unconnected-(U1-PB2-Pad17): U1#8.17
Board_6-unconnected-(U1-PB3-Pad27): U1#8.27
Board_6-unconnected-(U1-PB4-Pad28): U1#8.28
Board_6-unconnected-(U1-PB5-Pad29): U1#8.29
Board_6-unconnected-(U1-PB7-Pad31): U1#8.31
Board_6-unconnected-(U1-PB8-Pad32): U1#8.32
Board_6-unconnected-(U1-PC6-Pad20): U1#8.20
Board_6-unconnected-(U1-PC14-Pad2): U1#8.2
Board_6-unconnected-(U1-PC15-Pad3): U1#8.3
Board_6-unconnected-(U101-PG-Pad5): U101.5
Board_7-3V3: C2#11.1 C3#6.1 C4#12.1 C10#4.2 C11#11.2 J1#10.6 J1#10.9 J1#10.13 J4#2.1 R6#9.1 R8#5.1 R12#7.2 R13#7.2 R101#12.2 SW1#2.2 SW2#10.2 U1#3.4 U101#12.6
Board_7-/BS1: J1#10.11 R101#12.1
Board_7-/OLED_RST: J1#10.14 U1#3.26
Board_7-/RST: C5#12.1 J4#2.3 R8#5.2 U1#3.6
Board_7-/SCL: J1#10.18 R13#7.1 U1#3.19
Board_7-/SDA: J1#10.19 J1#10.20 R12#7.1 U1#3.1
Board_7-/SW1: R1#2.1 SW1#2.1 U1#3.13
Board_7-/SW2: R2.1 SW2#10.1 U1#3.15
Board_7-/SWCLK: J4#2.4 U1#3.25
Board_7-/SWDIO: J4#2.2 U1#3.24
Board_7-/UART_RX: U1#3.23
Board_7-/UART_TX: U1#3.30
Board_7-GND: BT1#12.2 C1#9.2 C2#11.2 C3#6.2 C4#12.2 C5#12.2 C10#4.1 C11#11.1 C12#4.1 C13#4.1 J1#10.7 J1#10.8 J1#10.10 J1#10.12 J1#10.15 J1#10.16 J1#10.17 J1#10.21 J1#10.22 J1#10.23 J1#10.24 J1#10.25 J1#10.29 J1#10.30 J4#2.5 R1#2.2 R2.2 R4#10.2 R11#3.1 U1#3.5 U101#12.2 U101#12.3 U101#12.8
Board_7-Net-(BT1-+): BT1#12.1 SW5#9.2
Board_7-Net-(J1-Pin_2): C9#4.2 J1#10.2
Board_7-Net-(J1-Pin_3): C9#4.1 J1#10.3
Board_7-Net-(J1-Pin_4): C8#11.2 J1#10.4
Board_7-Net-(J1-Pin_5): C8#11.1 J1#10.5
Board_7-Net-(J1-Pin_26): J1#10.26 R11#3.2
Board_7-Net-(J1-Pin_27): C12#4.2 J1#10.27
Board_7-Net-(J1-Pin_28): C13#4.2 J1#10.28
Board_7-Net-(SW5-A): C1#9.1 SW5#9.3 U101#12.1 U101#12.10
Board_7-Net-(U101-FB): R4#10.1 R6#9.2 U101#12.4
Board_7-Net-(U101-L1): L102#3.1 U101#12.9
Board_7-Net-(U101-L2): L102#3.2 U101#12.7
Board_7-unconnected-(J1-Pin_1-Pad1): J1#10.1
Board_7-unconnected-(J4-SWO-Pad6): J4#2.6
Board_7-unconnected-(SW5-C-Pad1): SW5#9.1
Board_7-unconnected-(U1-PA0-Pad7): U1#3.7
Board_7-unconnected-(U1-PA1-Pad8): U1#3.8
Board_7-unconnected-(U1-PA2-Pad9): U1#3.9
Board_7-unconnected-(U1-PA3-Pad10): U1#3.10
Board_7-unconnected-(U1-PA4-Pad11): U1#3.11
Board_7-unconnected-(U1-PA5-Pad12): U1#3.12
Board_7-unconnected-(U1-PA7-Pad14): U1#3.14
Board_7-unconnected-(U1-PA8-Pad18): U1#3.18
Board_7-unconnected-(U1-PA10/NC-Pad21): U1#3.21
Board_7-unconnected-(U1-PA11/PA9-Pad22): U1#3.22
Board_7-unconnected-(U1-PB1-Pad16): U1#3.16
Board_7-unconnected-(U1-PB2-Pad17): U1#3.17
Board_7-unconnected-(U1-PB3-Pad27): U1#3.27
Board_7-unconnected-(U1-PB4-Pad28): U1#3.28
Board_7-unconnected-(U1-PB5-Pad29): U1#3.29
Board_7-unconnected-(U1-PB7-Pad31): U1#3.31
Board_7-unconnected-(U1-PB8-Pad32): U1#3.32
Board_7-unconnected-(U1-PC6-Pad20): U1#3.20
Board_7-unconnected-(U1-PC14-Pad2): U1#3.2
Board_7-unconnected-(U1-PC15-Pad3): U1#3.3
Board_7-unconnected-(U101-PG-Pad5): U101#12.5
Board_8-3V3: C2#8.1 C3#5.1 C4#10.1 C10#9.2 C11#5.2 J1#11.6 J1#11.9 J1#11.13 J4#12.1 R6#5.1 R8#3.1 R12#6.2 R13.2 R101#8.2 SW1#7.2 SW2#2.2 U1.4 U101#5.6
Board_8-/BS1: J1#11.11 R101#8.1
Board_8-/OLED_RST: J1#11.14 U1.26
Board_8-/RST: C5#2.1 J4#12.3 R8#3.2 U1.6
Board_8-/SCL: J1#11.18 R13.1 U1.19
Board_8-/SDA: J1#11.19 J1#11.20 R12#6.1 U1.1
Board_8-/SW1: R1#10.1 SW1#7.1 U1.13
Board_8-/SW2: R2#9.1 SW2#2.1 U1.15
Board_8-/SWCLK: J4#12.4 U1.25
Board_8-/SWDIO: J4#12.2 U1.24
Board_8-/UART_RX: U1.23
Board_8-/UART_TX: U1.30
Board_8-GND: BT1#8.2 C1#11.2 C2#8.2 C3#5.2 C4#10.2 C5#2.2 C10#9.1 C11#5.1 C12#2.1 C13#11.1 J1#11.7 J1#11.8 J1#11.10 J1#11.12 J1#11.15 J1#11.16 J1#11.17 J1#11.21 J1#11.22 J1#11.23 J1#11.24 J1#11.25 J1#11.29 J1#11.30 J4#12.5 R1#10.2 R2#9.2 R4#12.2 R11.1 U1.5 U101#5.2 U101#5.3 U101#5.8
Board_8-Net-(BT1-+): BT1#8.1 SW5#11.2
Board_8-Net-(J1-Pin_2): C9#7.2 J1#11.2
Board_8-Net-(J1-Pin_3): C9#7.1 J1#11.3
Board_8-Net-(J1-Pin_4): C8.2 J1#11.4
Board_8-Net-(J1-Pin_5): C8.1 J1#11.5
Board_8-Net-(J1-Pin_26): J1#11.26 R11.2
Board_8-Net-(J1-Pin_27): C12#2.2 J1#11.27
Board_8-Net-(J1-Pin_28): C13#11.2 J1#11.28
Board_8-Net-(SW5-A): C1#11.1 SW5#11.3 U101#5.1 U101#5.10
Board_8-Net-(U101-FB): R4#12.1 R6#5.2 U101#5.4
Board_8-Net-(U101-L1): L102#12.1 U101#5.9
Board_8-Net-(U101-L2): L102#12.2 U101#5.7
Board_8-unconnected-(J1-Pin_1-Pad1): J1#11.1
Board_8-unconnected-(J4-SWO-Pad6): J4#12.6
Board_8-unconnected-(SW5-C-Pad1): SW5#11.1
Board_8-unconnected-(U1-PA0-Pad7): U1.7
Board_8-unconnected-(U1-PA1-Pad8): U1.8
Board_8-unconnected-(U1-PA2-Pad9): U1.9
Board_8-unconnected-(U1-PA3-Pad10): U1.10
Board_8-unconnected-(U1-PA4-Pad11): U1.11
Board_8-unconnected-(U1-PA5-Pad12): U1.12
Board_8-unconnected-(U1-PA7-Pad14): U1.14
Board_8-unconnected-(U1-PA8-Pad18): U1.18
Board_8-unconnected-(U1-PA10/NC-Pad21): U1.21
Board_8-unconnected-(U1-PA11/PA9-Pad22): U1.22
Board_8-unconnected-(U1-PB1-Pad16): U1.16
Board_8-unconnected-(U1-PB2-Pad17): U1.17
Board_8-unconnected-(U1-PB3-Pad27): U1.27
Board_8-unconnected-(U1-PB4-Pad28): U1.28
Board_8-unconnected-(U1-PB5-Pad29): U1.29
Board_8-unconnected-(U1-PB7-Pad31): U1.31
Board_8-unconnected-(U1-PB8-Pad32): U1.32
Board_8-unconnected-(U1-PC6-Pad20): U1.20
Board_8-unconnected-(U1-PC14-Pad2): U1.2
Board_8-unconnected-(U1-PC15-Pad3): U1.3
Board_8-unconnected-(U101-PG-Pad5): U101#5.5
Board_9-3V3: C2.1 C3#3.1 C4#5.1 C10#10.2 C11#3.2 J1#12.6 J1#12.9 J1#12.13 J4#4.1 R6#8.1 R8#12.1 R12#11.2 R13#6.2 R101#5.2 SW1#9.2 SW2#6.2 U1#11.4 U101#3.6
Board_9-/BS1: J1#12.11 R101#5.1
Board_9-/OLED_RST: J1#12.14 U1#11.26
Board_9-/RST: C5#5.1 J4#4.3 R8#12.2 U1#11.6
Board_9-/SCL: J1#12.18 R13#6.1 U1#11.19
Board_9-/SDA: J1#12.19 J1#12.20 R12#11.1 U1#11.1
Board_9-/SW1: R1#4.1 SW1#9.1 U1#11.13
Board_9-/SW2: R2#7.1 SW2#6.1 U1#11.15
Board_9-/SWCLK: J4#4.4 U1#11.25
